# Altium PCB L1_SmashBoy_PCB2.PcbDoc (part 2 of 3) (continued)
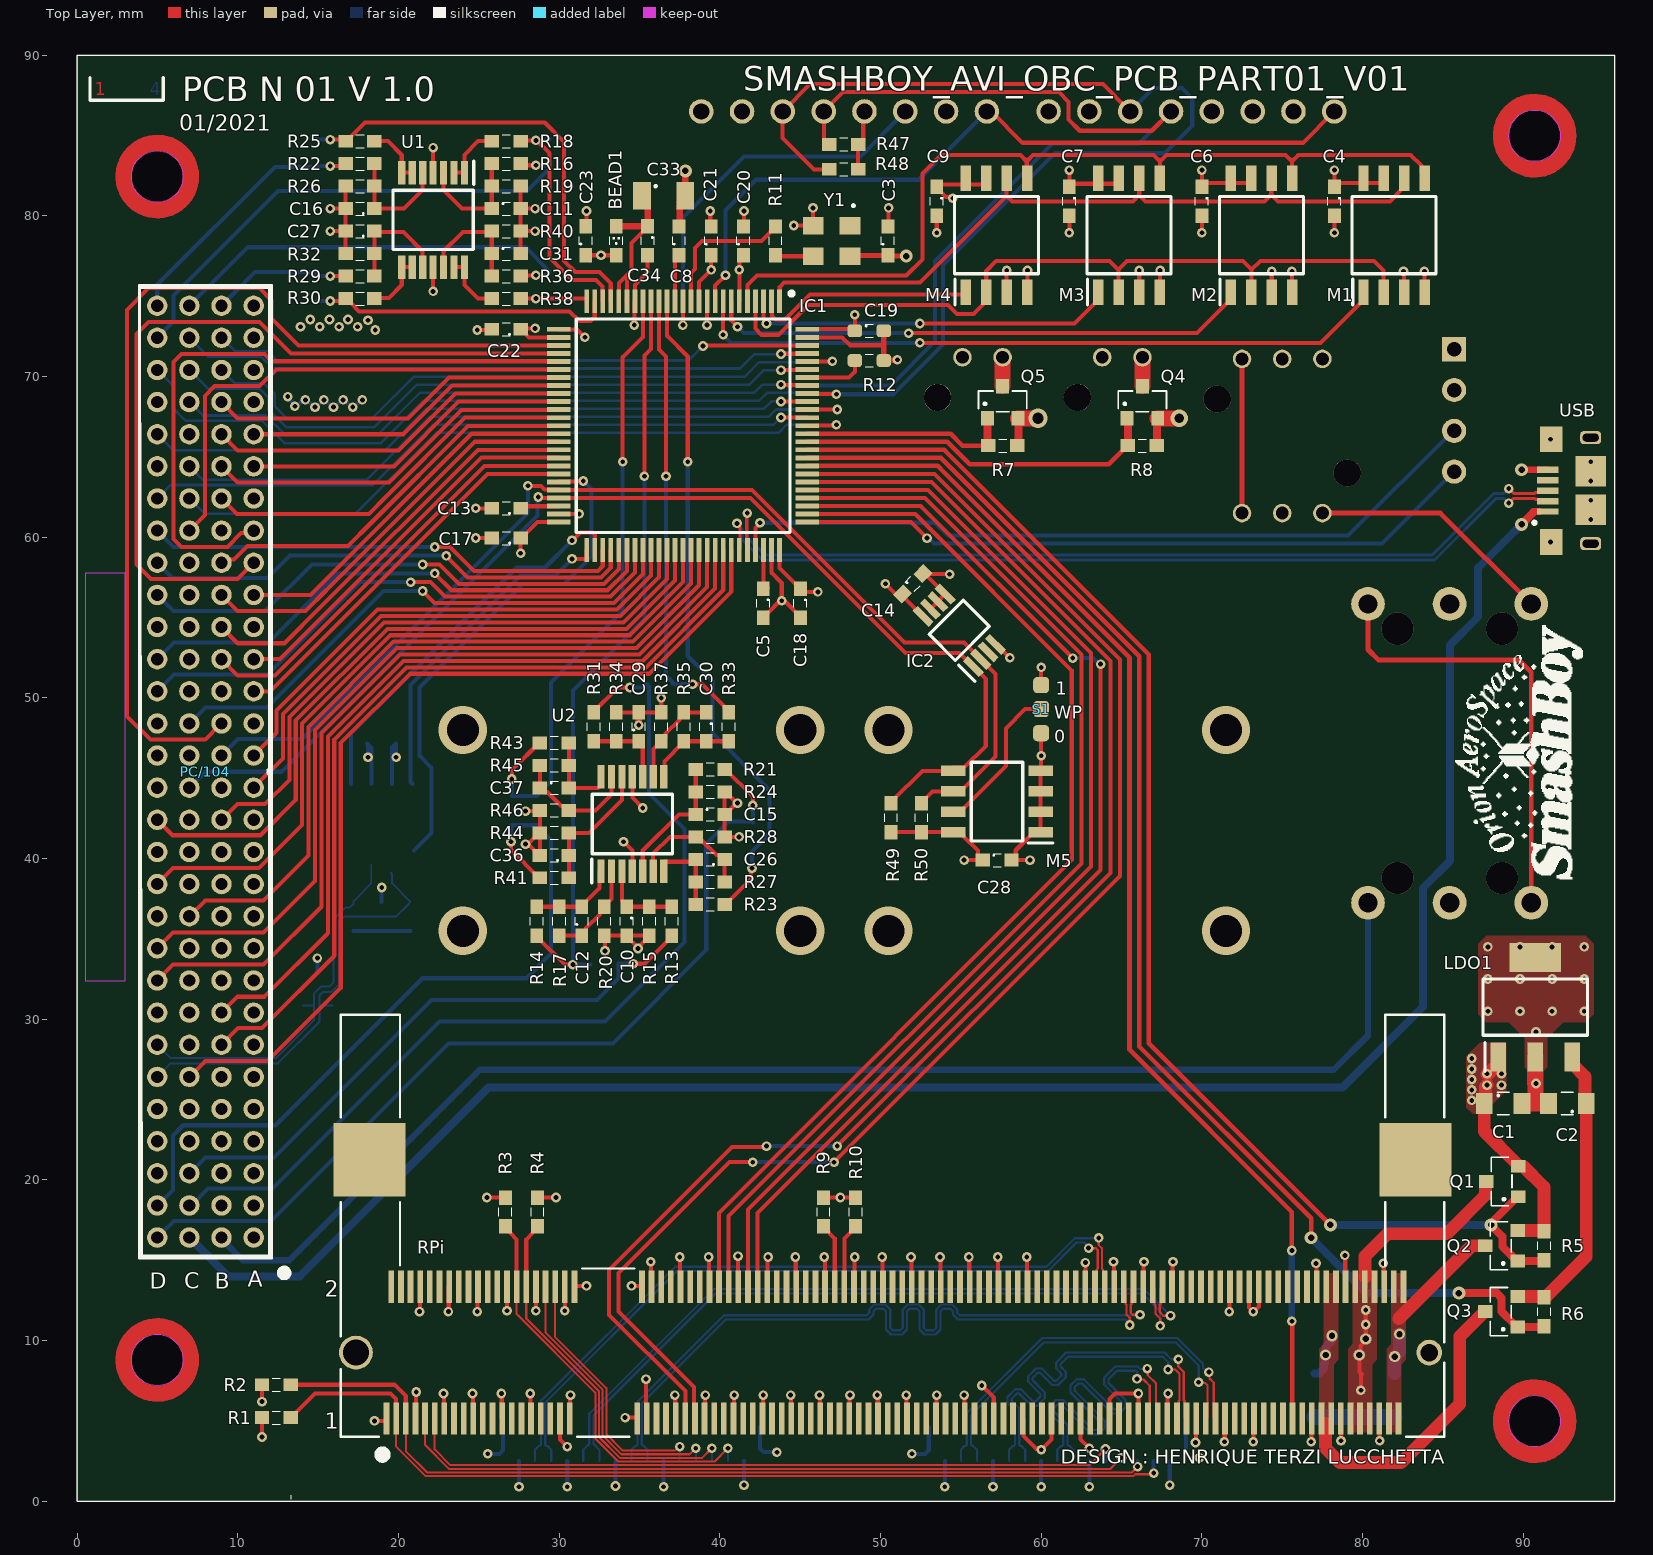
[diagram p0: Top Layer view]
## Nets (pads, with @x,y where several pads share a name; then routed paths per layer and width w, separated by ;. In a path a pad name is that pad's centre, name@x,y a point inside that pad or via, vN(x,y) a via of type N, cw(c..) or ccw(c..) an arc to the next point about the centre after c; other vN are vias at no path point) (continued)
NetIC1_30: IC1.30 PC/104.23 | length 41
  Top Layer w0.254: PC/104.23@10.98,60.41 10.826,60.256 10.206,60.256 9.35,59.4 6.5,59.4 6,59.9 6,70.9 6.5,71.4 11.65,71.4 12.1,70.95 29.962,70.95 IC1.30@29.971,70.94
NetIC1_31: IC1.31 PC/104.83 | length 31.5
  Top Layer w0.254: PC/104.83@6.98,60.41 7.95,61.38 7.95,68.8 8.55,69.4 11.35,69.4 12.39,70.44 IC1.31@29.971,70.44
NetIC1_32: IC1.32 PC/104.57 | length 22.2
  Top Layer w0.254: PC/104.57@8.98,68.41 9.99,67.4 20.6,67.4 23.14,69.94 IC1.32@29.69,69.94
NetIC1_33: IC1.33 PC/104.26 | length 20.2
  Top Layer w0.254: PC/104.26@10.98,66.41 20.31,66.41 23.34,69.44 IC1.33@29.971,69.44
NetIC1_34: IC1.34 PC/104.56 | length 22.9
  Top Layer w0.254: PC/104.56@8.98,66.41 9.99,65.4 20,65.4 20.35,65.75 23.54,68.94 IC1.34@29.971,68.94
NetIC1_35: IC1.35 PC/104.25 | length 20.7
  Top Layer w0.254: PC/104.25@10.98,64.41 19.71,64.41 23.74,68.44 IC1.35@29.971,68.44
NetIC1_36: IC1.36 PC/104.55 | length 22.9
  Top Layer w0.254: PC/104.55@8.98,64.41 9.99,63.4 19.4,63.4 23.917,67.917 IC1.36@29.55,67.917
NetIC1_37: IC1.37 PC/104.54 | length 23.4
  Top Layer w0.254: PC/104.54@8.98,62.41 9.94,61.45 18.15,61.45 19.25,62.55 24.14,67.44 IC1.37@29.54,67.44
NetIC1_38: IC1.38 PC/104.52 | length 23.8
  Top Layer w0.254: PC/104.52@8.98,58.41 9.174,58.604 9.754,58.604 10.6,59.45 16.85,59.45 18.3,60.9 24.317,66.917 IC1.38@29.3,66.917
NetIC1_39: IC1.39 PC/104.21 | length 23.1
  Top Layer w0.254: PC/104.21@10.98,56.41 14.51,56.41 24.54,66.44 IC1.39@29.94,66.44
NetIC1_40: IC1.40 PC/104.51 | length 26.2
  Top Layer w0.254: PC/104.51@8.98,56.41 9.99,55.4 14.2,55.4 15.5,56.7 ; 15.21,56.41 24.74,65.94 IC1.40@29.971,65.94
NetIC1_41: IC1.41 PC/104.50 | length 26.6
  Top Layer w0.254: PC/104.50@8.98,54.41 9.99,53.4 12.9,53.4 15.15,55.65 ; 14.9,55.4 24.94,65.44 IC1.41@29.79,65.44
NetIC1_42: IC1.42 PC/104.19 | length 24.2
  Top Layer w0.254: PC/104.19@10.98,52.41 12.61,52.41 25.15,64.95 29.962,64.95 IC1.42@29.971,64.94
NetIC1_43: IC1.43 PC/104.49 | length 26.3
  Top Layer w0.254: PC/104.49@8.98,52.41 9.99,51.4 12.3,51.4 16.85,55.95 25.34,64.44 IC1.43@29.49,64.44
NetIC1_44: IC1.44 PC/104.18 | length 24.8
  Top Layer w0.254: PC/104.18@10.8,50.35 10.86,50.41 PC/104.18@10.98,50.41 12.01,50.41 25.54,63.94 IC1.44@29.971,63.94
NetIC1_45: IC1.45 U6.5 | length 31.5
  Top Layer w0.254: IC1.45@29.971,63.44 29.994,63.463 31.463,63.463 v1(31.5,63.5)
  Bottom Layer w0.254: U6.5@20.95,40.49 22.05,41.59 22.05,45.65 21.3,46.4 21.3,50.65 27.75,57.1 30.3,57.1 32,58.8 32,63 v1(31.5,63.5)
NetIC1_46: IC1.46 IC2.2 M5.6 PC/104.46 R50.1 | length 71.6
  Top Layer w0.254: v1(28.05,63.2) 28.862,63.2 29.098,62.963 29.948,62.963 IC1.46@29.971,62.94 42.01,62.94 51.5,53.45 55.2,53.45 IC2.2@56.1,52.55 ; R50.1@52.55,43.45 52.55,43.5 53.235,44.185 54.975,44.185 57.15,46.36 57.15,51.49 IC2.2@56.35,52.29
  Bottom Layer w0.254: PC/104.46@8.98,46.41 10.02,47.45 14,47.45 28.05,61.5 v1(28.05,63.2)
NetIC1_47: IC1.47 IC2.1 M5.5 PC/104.75 R49.1 | length 73.8
  Top Layer w0.254: v1(28.7,62.5) 28.75,62.45 29.962,62.45 IC1.47@29.971,62.44 41.91,62.44 51.55,52.8 54.921,52.8 IC2.1@55.671,52.05 ; R49.1@50.65,43.6 50.75,43.6 52.605,45.455 M5.5@54.538,45.455 ; M5.5@54.4,45.55 54.503,45.653 55.203,45.653 56.55,47 56.55,51.171 IC2.1@55.775,51.946
  Bottom Layer w0.254: PC/104.75@6.9,44.6 7.17,44.6 7.97,45.4 12.7,45.4 28.647,61.347 28.647,62.447 v1(28.7,62.5)
NetIC1_51: IC1.51 U6.4 | length 20.9
  Top Layer w0.254: v1(30.8,58.65) 31.686,58.65 31.7,58.664 IC1.51@31.7,59.2
  Bottom Layer w0.254: U6.4@20.855,44.655 20.75,44.76 20.75,50.8 27.55,57.6 29.75,57.6 v1(30.8,58.65)
NetIC1_52: IC1.52 U6.1 | length 24.5
  Top Layer w0.254: v1(30.8,59.8) 30.829,59.8 31.329,60.3 32.071,60.3 32.219,60.151 32.219,59.212 IC1.52@32.209,59.202
  Bottom Layer w0.254: U6.1@17.045,44.655 17.045,47.795 27.35,58.1 29.1,58.1 v1(30.8,59.8)
NetIC1_53: IC1.53 PC/104.113 | length 29.9
  Top Layer w0.254: v1(22.25,59.388) 22.262,59.4 23.2,59.4 24.696,57.904 32.404,57.904 32.709,58.209 IC1.53@32.709,59.202
  Bottom Layer w0.254: PC/104.113@4.98,60.41 6.002,59.388 v1(22.25,59.388)
NetIC1_54: IC1.54 PC/104.112 | length 31.1
  Top Layer w0.254: v1(22.963,58.84) 24.303,57.5 32.6,57.5 33.209,58.109 IC1.54@33.209,59.202
  Bottom Layer w0.254: PC/104.112@4.98,58.41 5.94,57.45 11.85,57.45 13.251,58.851 22.952,58.851 v1(22.963,58.84)
NetIC1_55: IC1.55 PC/104.111 | length 32.4
  Top Layer w0.254: v1(21.5,58.3) 22.55,58.3 23.75,57.1 32.8,57.1 33.709,58.009 IC1.55@33.709,59.202
  Bottom Layer w0.254: PC/104.111@4.98,56.41 5.99,55.4 11.7,55.4 14.6,58.3 v1(21.5,58.3)
NetIC1_56: IC1.56 PC/104.109 | length 33.7
  Top Layer w0.254: v1(22.25,57.75) 23.3,56.7 33,56.7 34.209,57.909 IC1.56@34.209,59.202
  Bottom Layer w0.254: PC/104.109@4.98,52.41 6.02,53.45 11.9,53.45 16.194,57.744 22.244,57.744 v1(22.25,57.75)
NetIC1_57: IC1.57 PC/104.108 | length 34.9
  Top Layer w0.254: v1(20.75,57.2) 22,57.2 22.9,56.3 33.2,56.3 34.709,57.809 IC1.57@34.709,59.202
  Bottom Layer w0.254: PC/104.108@4.98,50.41 6.02,51.45 11.85,51.45 17.6,57.2 v1(20.75,57.2)
NetIC1_58: IC1.58 PC/104.77 | length 34.2
  Top Layer w0.254: v1(21.5,56.65) 22.25,55.9 33.4,55.9 35.209,57.709 IC1.58@35.209,59.202
  Bottom Layer w0.254: PC/104.77@6.98,48.41 7.97,49.4 11.8,49.4 19.063,56.663 21.487,56.663 v1(21.5,56.65)
NetIC1_59: IC1.59 PC/104.16 | length 31.8
  Top Layer w0.254: PC/104.16@10.98,46.41 12.4,47.83 12.4,49.2 18.7,55.5 33.6,55.5 35.709,57.609 IC1.59@35.709,59.202
NetIC1_60: IC1.60 PC/104.15 | length 34
  Top Layer w0.254: PC/104.15@10.98,44.41 12.8,46.23 12.8,49 18.9,55.1 33.8,55.1 36.209,57.509 IC1.60@36.209,59.202
NetIC1_61: IC1.61 PC/104.44 | length 38
  Top Layer w0.254: PC/104.44@8.98,42.41 9.97,43.4 11.7,43.4 13.2,44.9 13.2,48.8 19.1,54.7 34,54.7 36.709,57.409 IC1.61@36.709,59.202
NetIC1_62: IC1.62 PC/104.104 | length 44
  Top Layer w0.254: PC/104.104@4.98,42.41 5.94,41.45 11.4,41.45 13.6,43.65 13.6,48.6 19.3,54.3 34.2,54.3 37.209,57.309 IC1.62@37.209,59.202
NetIC1_63: IC1.63 PC/104.102 | length 46.2
  Top Layer w0.254: PC/104.102@4.98,38.41 5.97,39.4 11.3,39.4 14,42.1 14,48.4 19.5,53.9 34.4,53.9 37.709,57.209 IC1.63@37.709,59.202
NetIC1_64: IC1.64 PC/104.71 | length 46.6
  Top Layer w0.254: PC/104.71@6.98,36.41 7.97,37.4 11.6,37.4 14.4,40.2 14.4,48.2 19.7,53.5 34.6,53.5 38.209,57.109 IC1.64@38.209,59.202
NetIC1_65: IC1.65 PC/104.100 | length 50.7
  Top Layer w0.254: PC/104.100@5.05,34.45 5.05,34.48 5.97,35.4 11.6,35.4 14.8,38.6 14.8,48 19.9,53.1 34.8,53.1 38.709,57.009 IC1.65@38.709,59.202
NetIC1_66: IC1.66 PC/104.99 | length 53
  Top Layer w0.254: PC/104.99@4.98,32.41 5.97,33.4 11.6,33.4 15.2,37 15.2,47.8 20.1,52.7 35,52.7 39.209,56.909 IC1.66@39.209,59.202
NetIC1_67: IC1.67 PC/104.38 | length 51.2
  Top Layer w0.254: PC/104.38@8.98,30.41 9.97,31.4 11.65,31.4 15.6,35.35 15.6,47.6 20.3,52.3 35.2,52.3 39.709,56.809 IC1.67@39.709,59.202
NetIC1_68: IC1.68 PC/104.37 | length 53.3
  Top Layer w0.254: PC/104.37@8.98,28.41 10.02,29.45 11.5,29.45 16,33.95 16,47.4 20.5,51.9 35.4,51.9 40.209,56.709 IC1.68@40.209,59.202
NetIC1_69: IC1.69 PC/104.66 | length 57.8
  Top Layer w0.254: PC/104.66@6.98,26.41 7.97,27.4 11.85,27.4 16.4,31.95 16.4,47.2 20.7,51.5 35.6,51.5 40.709,56.609 IC1.69@40.709,59.202
NetIC1_77: IC1.77 RPi.58 | length 67.7
  Top Layer w0.254: RPi.58@39.948,13.352 39.948,17.948 61.9,39.9 61.9,51.7 52.16,61.44 IC1.77@45.65,61.44
NetIC1_78: IC1.78 RPi.66 | length 69.9
  Top Layer w0.254: RPi.66@42.348,13.352 42.348,17.948 63.7,39.3 v1(63.7,52.1) ; IC1.78@45.447,61.94 52.5,61.94 v1(61.963,52.478)
  Bottom Layer w0.254: v1(61.963,52.478) 63.229,52.478 63.54,52.166 63.666,52.166 v1@63.7,52.2
NetIC1_79: IC1.79 RPi.60 | length 69.5
  Top Layer w0.254: RPi.60@40.548,13.352 40.548,17.748 62.5,39.7 62.5,52.7 52.76,62.44 IC1.79@45.447,62.44
NetIC1_80: IC1.80 RPi.64 | length 70.1
  Top Layer w0.254: RPi.64@41.748,13.352 41.748,18.148 63.1,39.5 63.1,52.8 52.96,62.94 IC1.80@45.447,62.94
NetIC1_81: IC1.81 RPi.51 | length 89.3
  Top Layer w0.254: RPi.51@37.849,5.148 37.849,6.851 33.1,11.6 33.1,14.4 40.337,21.637 40.747,22.047 42.847,22.047 v1(42.9,22.1) ; IC1.81@45.447,63.44 53.16,63.44 64.3,52.3 64.3,39.1 v1(47.3,22.1)
  Bottom Layer w0.254: v1(42.9,22.1) v1(47.3,22.1)
NetIC1_82: IC1.82 RPi.53 | length 90.2
  Top Layer w0.254: RPi.53@38.449,5.148 38.398,5.199 38.398,7.102 33.7,11.8 33.7,14.2 40.6,21.1 v1(42.05,21.1) ; IC1.82@45.447,63.94 53.36,63.94 64.9,52.4 64.9,38.9 48.85,22.85 48.6,22.6 v1(47.1,21.1)
  Bottom Layer w0.254: v1(42.05,21.1) v1(47.1,21.1)
NetIC1_83: IC1.83 RPi.177 | length 76.6
  Top Layer w0.254: v1(75.6,11.2) v1@75.623,11.177 ; RPi.177@75.623,5.171 RPi.177@75.645,5.148
  Top Layer w0.29: IC1.83@45.447,64.44 53.56,64.44 53.95,64.05 65.5,52.5 65.5,28.1 75.6,18 v1(75.6,15.6)
  Top Layer w0.3: RPi.177@75.623,5.171 v1@75.623,11.177
  Bottom Layer w0.4: v1(75.6,11.2) v1(75.6,15.6)
NetIC1_84: IC1.84 Q3.1 R6.2 | length 83.7
  Top Layer w0.29: IC1.84@45.447,64.94 IC1.84@45.447,64.94 53.761,64.939 54.25,64.45 66.1,52.6 66.1,28.3 76.8,17.6 v2(76.8,16.4)
  Top Layer w0.5: v2(86,12.95) 88.357,12.95 88.65,12.657 88.65,11.8 89.5,10.95 Q3.1@89.65,10.95 ; Q3.1@89.65,10.85 R6.2@91.35,10.85
  Bottom Layer w0.5: v2(76.8,16.4) 80.25,12.95 v2(86,12.95)
NetIC1_85: IC1.85 Q1.1 Q2.1 R5.2 | length 83.8
  Top Layer w0.29: IC1.85@45.447,65.44 53.96,65.44 54.2,65.2 66.7,52.7 66.7,28.5 v2(78,17.2)
  Top Layer w0.5: Q1.1@89.7,18.95 89.65,18.95 88.066,17.366 88.066,17.266 v2(88,17.2) 88,17.18 88.7,16.48 88.7,15.85 89.327,15.223 89.6,14.95 R5.2@91.25,14.95
  Bottom Layer w0.5: v2(78,17.2) v2(88,17.2)
NetIC1_86: IC1.86 Q4.1 R8.2 | length 22.6
  Top Layer w0.254: Q4.1@65.3,67.3 Q4.1@65.4,67.2 ; R8.2@65.35,65.7 R8.2@65.4,65.7
  Top Layer w0.29: IC1.86@45.447,65.94 54.16,65.94 55.55,64.55 64.2,64.55 R8.2@65.35,65.7
  Top Layer w0.5: R8.2@65.4,65.7 Q4.1@65.4,67.2
NetIC1_87: IC1.87 Q5.1 R7.2 | length 13.2
  Top Layer w0.254: R7.2@56.65,65.85 R7.2@56.7,65.8
  Top Layer w0.29: IC1.87@45.447,66.44 54.36,66.44 55.1,65.7 R7.2@56.7,65.7
  Top Layer w0.5: R7.2@56.65,65.85 Q5.1@56.65,67.4
NetIC1_88: IC1.88 PC/104.84 | length 44.8
  Top Layer w0.254: IC1.88@45.447,66.94 45.47,66.963 47.213,66.963 v1(47.25,67)
  Bottom Layer w0.16: PC/104.84@6.98,62.41 7.94,61.45 17.3,61.45 22.35,66.5 43.65,66.5 44.15,67 v1(47.25,67)
NetIC1_89: IC1.89 PC/104.114 | length 42.6
  Top Layer w0.254: v1(43.8,67.45) 43.805,67.445 45.442,67.445 IC1.89@45.447,67.44
  Bottom Layer w0.16: PC/104.114@4.98,62.41 5.82,63.25 18.4,63.25 22.15,67 43.35,67 v1(43.8,67.45)
NetIC1_90: IC1.90 PC/104.85 | length 44.2
  Top Layer w0.254: IC1.90@45.447,67.94 45.452,67.945 47.295,67.945 v1(47.3,67.95)
  Bottom Layer w0.16: PC/104.85@7,64.25 7.14,64.25 7.805,63.585 18.035,63.585 21.95,67.5 43.05,67.5 43.5,67.95 v1(47.3,67.95)
NetIC1_91: IC1.91 PC/104.116 | length 42.2
  Top Layer w0.254: v1(43.8,68.45) 43.805,68.445 45.443,68.445 IC1.91@45.447,68.44
  Bottom Layer w0.16: PC/104.116@4.98,66.41 5.99,65.4 19.15,65.4 21.75,68 42.75,68 43.2,68.45 v1(43.8,68.45)
NetIC1_92: IC1.92 PC/104.118 R48.1 U4.3 U5.3 | length 114.7
  Top Layer w0.254: U4.3@43.85,86.35 43.9,86.3 43.9,84.85 45.85,82.9 R48.1@46.8,82.9 ; U4.3@43.92,86.5 45.62,88.2 63.84,88.2 65.44,86.6 U5.3@65.6,86.6 ; IC1.92@45.447,68.94 45.47,68.917 47.226,68.917 v1(47.25,68.893)
  Bottom Layer w0.16: PC/104.118@4.98,70.41 5.95,69.44 5.95,68.05 6.75,67.25 11.5,67.25 12.9,65.85 18.9,65.85 21.55,68.5 42.45,68.5 42.95,69 46.936,69 46.959,68.977 47.166,68.977 v1(47.25,68.893)
  Bottom Layer w0.254: v1(47.25,68.893) 47.257,68.9 50.8,68.9 53.9,72 53.9,76.95 60.85,83.9 67.7,83.9 69.4,85.6 69.4,87.3 68.75,87.95 66.99,87.95 65.69,86.65 U5.3@65.55,86.65
NetIC1_93: IC1.93 PC/104.87 R47.1 U4.4 U5.4 | length 101.4
  Top Layer w0.254: v1(43.8,69.5) 43.837,69.463 45.424,69.463 IC1.93@45.447,69.44 ; U4.4@46.46,86.5 47.66,87.7 61.1,87.7 61.7,87.1 61.7,86 62.4,85.3 66.88,85.3 U5.4@68.08,86.5 68.1,86.52 U5.4@68.1,86.6 ; U4.4@46.5,86.35 46.477,86.327 46.477,84.723 46.75,84.45 R47.1@46.8,84.45
  Bottom Layer w0.16: PC/104.87@6.98,68.41 7.814,67.576 11.724,67.576 12.95,66.35 18.7,66.35 21.35,69 42.15,69 42.65,69.5 v1(43.8,69.5)
  Bottom Layer w0.254: v1(43.8,69.5) 43.85,69.45 50.65,69.45 53.4,72.2 53.4,77.2 60.7,84.5 66.08,84.5 U5.4@68.08,86.5
NetIC1_94: IC1.94 R12.1 | length 3.9
  Top Layer w0.254: IC1.94@45.447,69.94 48.04,69.94 48.4,70.3 R12.1@48.4,71.05
NetIC1_95: IC1.95 PC/104.88 | length 41.9
  Top Layer w0.254: v1(43.8,70.4) 43.82,70.42 45.427,70.42 IC1.95@45.447,70.44
  Bottom Layer w0.16: PC/104.88@6.98,70.41 8.14,69.25 11.35,69.25 11.9,68.7 11.9,67.95 13,66.85 18.5,66.85 21.15,69.5 41.85,69.5 42.75,70.4 v1(43.8,70.4)
NetIC1_96: IC1.96 PC/104.58 | length 42.8
  Top Layer w0.254: IC1.96@45.447,70.94 45.452,70.945 46.995,70.945 v1(47,70.95)
  Bottom Layer w0.16: PC/104.58@8.98,70.41 9.81,69.58 11.62,69.58 12.3,68.9 12.3,68.15 13.1,67.35 18.3,67.35 20.95,70 41.55,70 42.45,70.9 46.95,70.9 v1(47,70.95)
NetIC1_97: IC1.97 PC/104.89 | length 39.6
  Top Layer w0.254: v1(43.8,71.4) 43.82,71.42 45.427,71.42 IC1.97@45.447,71.44
  Bottom Layer w0.16: PC/104.89@6.98,72.41 8.14,71.25 11.45,71.25 12.2,70.5 41.25,70.5 42.15,71.4 v1(43.8,71.4)
NetIC1_98: IC1.98 PC/104.59 | length 37.4
  Top Layer w0.254: v1(38.95,71.9) 38.987,71.937 45.444,71.937 IC1.98@45.447,71.94
  Bottom Layer w0.16: PC/104.59@8.98,72.41 9.812,71.578 11.872,71.578 12.45,71 38.05,71 v1(38.95,71.9)
NetJ1_1: J1.1 RBF.6 | length 15.2
  Top Layer w0.3: J1.1@77.6,61.5 84.85,61.5 RBF.6@90.5,55.85
NetJ1_3: J1.3 J2.1 | length 9.5
  Top Layer w0.3: J1.3@72.5,61.5 J2.1@72.5,70.9
  Top Layer w0.5: J2.1@72.4,71 J2.1@72.5,70.9
NetJ3_1: J3.1 J4.1 PC/104.2 PC/104.3 PC/104.4 PC/104.34
NetJ3_2: J3.2 Q4.3 | length 1.8
  Top Layer w1: Q4.3@66.3,69.4 J3.2@66.3,71.2
NetJ4_2: J4.2 Q5.3 | length 1.8
  Top Layer w1: Q5.3@57.6,69.4 J4.2@57.6,71.2
NetJ5_11: J5.11 RPi.36 | length 16.5
  Top Layer w0.127: RPi.36@29.749,13.352 29.749,10.214 32.931,7.032 32.931,4.182 33.963,3.15 37.189,3.15 37.436,3.396 v1(37.5,3.396)
  Bottom Layer w0.127: J5.11@37.5,2.5 v1(37.5,3.396)
NetJ5_12: J5.12 RPi.34 | length 17.8
  Top Layer w0.127: RPi.34@29.149,13.199 29.149,10.493 32.704,6.938 32.704,4.088 33.869,2.923 38.123,2.923 v1(38.5,3.3)
  Bottom Layer w0.127: J5.12@38.5,2.5 v1(38.5,3.3)
NetJ5_13: J5.13 R4.1 RPi.30 | length 23.9
  Top Layer w0.127: RPi.30@27.949,13.352 27.949,11.372 32.477,6.844 32.477,3.994 33.775,2.696 38.896,2.696 39.45,3.25 v1@39.5,3.25
  Top Layer w0.254: RPi.30@27.949,13.352 27.949,16.299 28.377,16.727 28.377,16.827 R4.1@28.65,17.1
  Bottom Layer w0.127: J5.13@39.5,2.5 v1(39.5,3.3)
NetJ5_14: J5.14 R3.1 RPi.28 | length 25.3
  Top Layer w0.127: RPi.28@27.349,13.251 27.349,11.651 32.25,6.75 32.25,3.9 33.681,2.469 39.669,2.469 v1(40.5,3.3)
  Top Layer w0.254: R3.1@26.7,16.95 26.75,16.95 26.923,16.777 26.923,16.727 27.349,16.301 RPi.28@27.349,13.352
  Bottom Layer w0.127: J5.14@40.5,2.5 v1(40.5,3.3)
NetJ6_11: J6.11 RPi.11 | length 45.2
  Top Layer w0.127: RPi.11@22.25,5.1 22.25,3.221 23.229,2.242 62.992,2.242 v1(64,3.25)
  Bottom Layer w0.254: J6.11@64,2.5 v1(64,3.25)
NetJ6_12: J6.12 RPi.9 | length 46
  Top Layer w0.127: RPi.9@21.65,5.1 21.65,3.5 23.135,2.015 64.315,2.015 v1(65,2.7)
  Bottom Layer w0.254: J6.12@65,2.5 v1(65,2.7)
NetJ6_13: J6.13 R2.1 RPi.5 | length 57.2
  Top Layer w0.127: RPi.5@20.45,4.9 20.45,3.121 21.783,1.788 65.638,1.788 v1(66,2.15)
  Top Layer w0.254: R2.1@13.3,7.25 19.75,7.25 20.45,6.55 RPi.5@20.45,5.148
  Bottom Layer w0.254: v1(66,2.15) J6.13@66,2.5
NetJ6_14: J6.14 R1.1 RPi.3 | length 58.8
  Top Layer w0.127: RPi.3@19.85,4.95 19.85,3.4 21.689,1.561 65.732,1.561 65.848,1.677 66.927,1.677 v1(67,1.75)
  Top Layer w0.254: R1.1@13.3,5.2 13.35,5.2 13.623,5.473 13.623,5.523 14.791,6.691 19.509,6.691 19.845,6.355 19.845,5.153 RPi.3@19.85,5.148 RPi.3@19.849,5.147
  Bottom Layer w0.254: v1(67,1.75) J6.14@67,2.5
NetJ7_1: J7.1 PC/104.63 R13.2 | length 36.5
  Top Layer w0.254: v1(34.6,33.45) 35.3,33.45 36.85,35 R13.2@36.85,35.05
  Bottom Layer w0.254: PC/104.63@6.95,20.5 7.07,20.5 7.97,21.4 12.25,21.4 22.05,31.2 32.35,31.2 33.7,32.55 J7.1@33.7,33.45 v1(34.6,33.45)
NetJ8_1: J8.1 PC/104.119 R16.2 | length 31.4
  Top Layer w0.254: R16.2@27.6,83.25 27.7,83.15 v1(28.55,83.15)
  Bottom Layer w0.254: PC/104.119@5.25,72.55 5.25,72.68 6,73.43 6,75.05 12.5,81.55 28,81.55 29.4,82.95 J8.1@29.4,83 ; v1(28.55,83.15) 29.3,83.15 J8.1@29.4,83.05
NetJ9_1: J9.1 PC/104.91 R21.2 | length 55.6
  Top Layer w0.254: R21.2@40.3,45.55 40.35,45.55 42.05,43.85 v1(42.05,43.3)
  Bottom Layer w0.254: PC/104.91@4.95,16.65 5.22,16.65 6.02,17.45 12.05,17.45 23.1,28.5 33.35,28.5 39.15,34.3 39.15,40.9 40.55,42.3 J9.1@42,42.3 ; J9.1@42.05,42.25 v1(42.05,43.3)
NetJ10_1: J10.1 PC/104.120 R22.2 | length 16.1
  Top Layer w0.254: v1(15.75,83.1) 16.55,83.1 R22.2@16.7,83.25
  Bottom Layer w0.254: PC/104.120@4.98,74.41 4.98,75.73 12.3,83.05 14.95,83.05 15,83.1 v1@15.7,83.1
NetJ11_1: J11.1 PC/104.60 R29.2 | length 8.8
  Top Layer w0.254: v1@15.7,76.25 v1(15.75,76.25) R29.2@16.7,76.25
  Bottom Layer w0.254: PC/104.60@8.9,74.5 9.07,74.5 11.07,76.5 J11.1@14.9,76.5 ; J11.1@14.75,76.3 J11.1@14.9,76.3 ; J11.1@15,76.4 15.15,76.25 v1(15.75,76.25)
NetJ12_1: J12.1 PC/104.62 R31.2 | length 58.6
  Top Layer w0.254: R31.2@32.15,49.1 32.15,49.15 33.65,50.65 v1(34.4,50.65)
  Bottom Layer w0.254: PC/104.62@6.98,18.41 7.11,18.41 8.15,19.45 12.15,19.45 22.55,29.85 32.85,29.85 37.8,34.8 37.8,41.85 35.6,44.05 35.6,50.7 J12.1@35.45,50.85 ; v1@34.4,50.656 35.206,50.656 J12.1@35.4,50.85
NetJ13_1: J13.1 PC/104.90 R36.2 | length 26.4
  Top Layer w0.254: R36.2@27.6,76.25 27.65,76.3 v1(28.55,76.3)
  Bottom Layer w0.254: PC/104.90@7,74.55 7.12,74.55 10.62,78.05 27.9,78.05 29.4,76.55 J13.1@29.4,76.5 29.2,76.3 v1@28.6,76.3
NetJ14_1: J14.1 PC/104.92 R41.2 | length 46.9
  Top Layer w0.254: v1(27,41.05) 27,40.55 28.75,38.8 R41.2@28.8,38.8
  Bottom Layer w0.254: PC/104.92@4.98,18.41 5.95,19.38 5.95,22.75 6.6,23.4 12.35,23.4 21.5,32.55 27.95,32.55 29.5,34.1 29.5,41.15 28.577,42.073 J14.1@27.1,42.073 ; v1(27,41.05) 27,42.05 J14.1@27.05,42.1
NetM5_7: M5.7 S1.2 | length 9.5
  Top Layer w0.254: M5.7@54.538,42.915 54.975,42.915 55.173,43.113 55.173,43.123 57.8,45.75 57.8,48.1 59,49.3 S1.2@60,49.3
NetPC/104_31: PC/104.31 RBF.1 | length 86.1
  Bottom Layer w0.4: PC/104.31@8.98,16.41 8.98,16.32 10.3,15 13.2,15 25.05,26.85 78.2,26.85 80.34,28.99 RBF.1@80.34,37.25
NetPC/104_61: PC/104.61 USB.1 | length 118.8
  Top Layer w0.45: 90.619,61.6 USB.1@91.075,61.6
  Top Layer w0.5: v2(89.9,60.8) 90.619,61.519
  Bottom Layer w0.5: PC/104.61@6.98,16.41 9.39,14 13.85,14 25.6,25.75 78.75,25.75 83.75,30.75 83.75,38.15 85.45,39.85 85.45,53.3 87.2,55.05 87.2,58.1 88.821,59.721 v2(89.9,60.8)
NetR9_1: R9.1 RPi.82 | length 3.9
  Top Layer w0.254: R9.1@46.5,17 47.148,16.352 RPi.82@47.148,13.352
NetR10_1: R10.1 RPi.84 | length 4
  Top Layer w0.254: RPi.84@47.748,13.352 47.748,16.348 48.4,17 R10.1@48.5,17
NetR11_1: R11.1 Y1.3 | length 2.4
  Top Layer w0.254: R11.1@43.459,77.54 43.509,77.49 Y1.3@45.809,77.49
NetR18_1: R18.1 U1.1 U1.2 | length 3.8
  Top Layer w0.254: U1.2@23.45,82.688 U1.1@24.1,82.688 24.1,83.8 24.95,84.65 R18.1@25.8,84.65
NetR25_1: R25.1 U1.6 U1.7 | length 3.8
  Top Layer w0.254: R25.1@18.5,84.65 19.35,84.65 20.2,83.8 U1.7@20.2,82.688 ; U1.7@20.2,82.75 20.262,82.688 U1.6@20.85,82.688
NetR30_1: R30.1 U1.8 U1.9 | length 3.7
  Top Layer w0.254: R30.1@18.6,74.9 19.4,74.9 20.2,75.7 U1.8@20.2,76.812 ; U1.8@20.2,76.8 20.212,76.812 U1.9@20.85,76.812
NetR38_1: R38.1 U1.13 U1.14 | length 3.7
  Top Layer w0.254: U1.13@23.45,76.812 U1.14@24.1,76.812 ; U1.14@24.1,76.65 24.1,75.7 24.95,74.85 R38.1@25.8,74.85
NetRBF_3: RBF.3 RBF.4 | length 27.7
  Top Layer w0.3: RBF.4@80.34,55.85 80.34,53.01 81,52.35 89.75,52.35 90.5,51.6 90.5,37.6 RBF.3@90.45,37.55
RP_1V8: C40.1 Q3.3 RPi.183 RPi.184 RPi.185 RPi.186 | length 21.1
  Top Layer w0.8: 77.7,4.85 77.7,3.3 78.6,2.4 82.4,2.4 86.05,6.05 86.05,10.25 Q3.3@87.6,11.8
  Bottom Layer w0.5: C40.1@77,7.95 77.3,7.95 77.6,8.25 77.6,8.55 77.662,8.612 v4@77.662,9.062 ; v4(77.7,9.1) 77.728,9.128 77.728,9.628 78.062,9.962 78.062,10.262 v4(78.1,10.3)
RP_3V3: C38.1 J5.15 J6.15 Q1.3 R1.2 R2.2 R3.2 R4.2 RPi.39 RPi.40 RPi.41 RPi.42 RPi.189 RPi.190 RPi.191 RPi.192 RPi.193 RPi.194 | length 27.7
  Top Layer w0.254: v1(11.5,4) R1.2@11.5,5.2 ; v1(11.5,6.2) R2.2@11.5,7.25 ; v1(25.5,18.9) R3.2@26.65,18.9 ; R4.2@28.65,18.9 v1(29.8,18.9) ; RPi.39@30.649,5.148 30.675,5.173 30.675,6.575 v1(30.7,6.6) ; RPi.40@30.949,13.352 30.997,13.4 v1(31.7,13.4) ; v1(34.1,5.2) 34.798,5.2 RPi.41@34.849,5.148 RPi.41@34.849,5.148 ; v1(34.5,13.4) 35.101,13.4 RPi.42@35.149,13.352 ; v1(79.9,6.9) 79.9,7.9 ; 79.95,7.9 79.8,8.05 v4(79.8,9.1) 79.885,9.185 79.885,9.665 80.2,9.979 v1(80.2,11) v1(80.2,11.9)
  Top Layer w0.8: RPi.192@80.15,13.955 80.15,15.25 81.55,16.65 85.25,16.65 87.65,19.05 87.65,19.9 Q1.3@87.7,19.9
  Bottom Layer w0.254: v1(41.5,1) J5.15@41.5,2.5 ; v1(68,1) J6.15@68,2.5
  other v4: 80.2,10.1
RP_VBAT: C39.1 Q2.3 RPi.197 RPi.198 RPi.199 RPi.200 | length 9.9
  Top Layer w0.8: 82.256,11.356 86.8,15.9 Q2.3@87.65,15.9
  Bottom Layer w0.8: C39.1@82,7.95 v4(82,9) 82.3,9.3 v4(82.3,10.4)
USB_N: IC1.70 USB.2 | length 55.5
  Top Layer w0.191: v1(41.064,60.864) 41.064,60.753 41.264,60.553 41.264,59.257 IC1.70@41.209,59.202 ; v1(89.1,62.125) 89.125,62.125 89.416,62.416 90.716,62.416 90.777,62.354 91.42,62.354 USB.2@91.525,62.25
  Bottom Layer w0.191: v1(41.064,60.864) v1(41.064,60.864) 41.382,60.547 41.382,59.857 42.657,58.582 84.482,58.582 88.316,62.416 88.784,62.416 89.075,62.125 v1(89.1,62.125)
USB_P: IC1.71 USB.3 | length 56
  Top Layer w0.191: v1(41.7,61.5) 41.673,61.473 41.673,59.238 IC1.71@41.709,59.202 ; v1(89.1,63.025) 89.125,63.025 89.416,62.734 90.716,62.734 90.777,62.796 91.42,62.796 USB.3@91.525,62.9
  Bottom Layer w0.191: v1(41.7,61.5) 41.7,59.989 42.789,58.9 84.35,58.9 88.184,62.734 88.784,62.734 89.075,63.025 v1(89.1,63.025)
VDDA: BEAD1.2 C33.1 C34.1 IC1.20 IC1.21 | length 11.8
  Top Layer w0.254: IC1.21@33.709,74.678 33.709,75.809 34.2,76.3 ; IC1.20@34.186,74.736 IC1.20@34.2,74.75 ; IC1.20@34.209,74.678 34.209,76.309 34.5,76.6 34.5,78.3 C34.1@35.5,79.3 ; C33.1@35.15,81.25 C33.1@35.5,80.9
  Top Layer w0.4: BEAD1.2@33.55,79.35 C34.1@35.5,79.35 ; C34.1@35.5,79.45 C33.1@35.5,81.7
  Top Layer w0.45: C34.1@35.5,79.35 35.55,79.35 C34.1@35.6,79.3
pads on no net: IC2.3 J1. J1.2 J2. J2.2 J3. J4. PC/104.6 PC/104.7 PC/104.9 PC/104.11 PC/104.13 PC/104.27 PC/104.29 PC/104.30 PC/104.32 PC/104.35 PC/104.36 PC/104.40 PC/104.42 PC/104.65 PC/104.68 PC/104.69 PC/104.73 PC/104.78 PC/104.79 PC/104.80 PC/104.81 PC/104.93 PC/104.94 PC/104.106 RBF.2 RBF.5 RPi.2 RPi.4 RPi.6 RPi.10 RPi.12 RPi.15 RPi.16 RPi.17 RPi.18 RPi.21 RPi.22 RPi.23 RPi.24 RPi.27 RPi.29 RPi.33 RPi.35 RPi.45 RPi.46 RPi.47 RPi.48 RPi.52 RPi.54 RPi.57 RPi.59 RPi.63 RPi.65 RPi.69 RPi.70 RPi.71 RPi.72 RPi.75 RPi.76 RPi.77 RPi.78 RPi.81 RPi.83 RPi.87 RPi.88 RPi.89 RPi.90 RPi.93 RPi.94 RPi.95 RPi.96 RPi.99 RPi.100 RPi.101 RPi.102 RPi.105 RPi.106 RPi.107 RPi.108 RPi.111 RPi.112 RPi.113 RPi.114 RPi.117 RPi.118 RPi.119 RPi.120 RPi.123 RPi.124 RPi.125 RPi.126 RPi.128 RPi.129 RPi.130 RPi.131 RPi.132 RPi.135 RPi.137 RPi.141 RPi.143 RPi.154 RPi.156 RPi.158 RPi.160 RPi.162 RPi.165 RPi.166 RPi.167 RPi.171 RPi.172 RPi.173 RPi.174 RPi.175 RPi.176 RPi.178 RPi.179 RPi.180 RPi.202 RPi.203 RPi.204 RPi.205 U4.7 U5.6 U5.7 USB.4 Y1.1
copper on no net: | length 105.6
  Top Layer w1: 7.08,8.79 ccw(c4.98,8.79) 7.08,8.79 ; 7.08,82.45 ccw(c4.98,82.45) 7.08,82.45 ; 92.81,4.98 ccw(c90.71,4.98) 92.81,4.98 ; 92.81,84.99 ccw(c90.71,84.99) 92.81,84.99
  Bottom Layer w1: 7.08,8.79 ccw(c4.98,8.79) 7.08,8.79 ; 7.08,82.45 ccw(c4.98,82.45) 7.08,82.45 ; 92.81,4.98 ccw(c90.71,4.98) 92.81,4.98 ; 92.81,84.99 ccw(c90.71,84.99) 92.81,84.99
  other v3: 24,35.5 45,35.5 50.5,35.5 71.5,35.5 24,48 45,48 50.5,48 71.5,48
  other v5: 82.17,38.8 88.67,38.8 82.17,54.3 88.67,54.3

## Polygon pours and split planes (outlines as drawn)
3V3 on Top Layer "NONET_L-01_P-001" (solid, pour order 10): 87.3,28.55 86.45,27.7 86.45,24.5 86.85,24.1 87.5,24.1 88.95,25.55 88.95,28.55
GND on Top Layer "NONET_L-01_P-001" (solid, pour order 8): 87.2,34.7 87.2,30.3 87.7,29.8 89.1,29.8 90.1,28.8 90.1,27 90.4,26.7 91.2,26.7 91.5,27 91.5,28.8 92.5,29.8 93.9,29.8 94.4,30.3 94.4,34.7 93.9,35.2 87.7,35.2
RP_3V3 on Top Layer "NONET_L-01_P-001" (solid, pour order 6): 79.4,14.2 80.9,14.2 80.9,8.8 80.6,8.5 80.6,4.3 79.1,4.3 79.1,9.5 79.4,9.8
RP_1V8 on Top Layer "NONET_L-01_P-001" (solid, pour order 5): 77.6,14.2 78.5,14.2 78.5,8.8 78.2,8.5 78.2,4.25 78.1,4.15 77.35,4.15 77.3,4.2 77.3,9.5 77.6,9.8
RP_VBAT on Top Layer "NONET_L-01_P-001" (solid, pour order 4): 81.8,14.2 82.7,14.2 82.7,8.8 82.4,8.5 82.4,4.3 81.5,4.3 81.5,9.5 81.8,9.8
GND on Int1 (GND) "NONET_L-01_P-001" (solid, pour order 7): 0,90 0,0 95.7,0 95.7,90
RP_3V3 on Int2 (PWR) "NONET_L-01_P-001" (solid, pour order 22): 74.8,14.1 69,19.9 33.8,19.9 23.3,19.9 9.8,6.4 9.8,1.6 11.4,0 77.8,0 81.3,3.5 81.3,11.9 79.1,14.1
3V3 on Int2 (PWR) "NONET_L-01_P-001" (solid, pour order 25): 0,90 95.7,90 95.7,0.4 0,0.4
NetJ3_1 on Int2 (PWR) "NONET_L-01_P-001" (solid, pour order 24): 54,72.25 53.45,71.7 53.45,63.1 62.45,54.1 62.45,39.45 55,32 20.05,32 13.35,25.3 59.9,25.3 69.95,35.35 69.95,61.2 66.45,64.7 66.45,69.5 63.7,72.25
NetJ3_1 on Int2 (PWR) "NONET_L-01_P-001" (solid, pour order 12): 8.35,23.5 11.55,23.5 13.65,25.6 22.75,25.6 14.7,17.55 10.425,17.55 9.9,18.075 9.9,20.75 9.35,21.3 8.4,21.3 7.9,21.8 7.9,23.05
3V3 on Int2 (PWR) "NONET_L-01_P-001" (solid, pour order 20): 12.7,70 22,79.3 31.9,79.3 31.9,69.2 30.5,67.8 13.3,67.8 12.7,68.4
3V3 on Int2 (PWR) "NONET_L-01_P-001" (solid, pour order 18): 25.2,79.3 25.2,67.8 26.5,66.5 26.5,57.3 29.6,54.2 45,54.2 46.9,56.1 46.9,70.3 52.5,75.9 52.5,78 51.2,79.3
3V3 on Int2 (PWR) "NONET_L-01_P-001" (solid, pour order 15): 3.8,41.25 9.75,41.25 17,48.5 17,66.85 19.6,69.45 19.6,70.95 13.65,70.95 11.9,69.2 11.9,50.45 10.95,49.5 4.65,49.5 3.8,48.65
RP_VBAT on Bottom Layer "NONET_L-01_P-001" (solid, pour order 28): 82.7,10.8 83,10.5 83,7.6 82.8,7.4 81.2,7.4 81.1,7.5 81.1,10.5 81.4,10.8
RP_3V3 on Bottom Layer "NONET_L-01_P-001" (solid, pour order 27): 80.5,10.6 79.1,10.6 78.8,10.3 78.8,9.4 78.5,9.1 78.5,7.6 78.7,7.4 80.5,7.4 80.8,7.7 80.8,10.3
RP_1V8 on Bottom Layer "NONET_L-01_P-001" (solid, pour order 26): 78.2,10.8 77.3,10.8 75.9,9.4 75.9,7.6 76.1,7.4 77.9,7.4 78.2,7.7 78.2,9.3 78.5,9.6 78.5,10.5
3V3 on Bottom Layer "NONET_L-01_P-001" (solid, pour order 13): 13.25,70.15 12.7,69.6 12.7,68.35 13.3,67.75 17.7,67.75 18.6,68.65 18.6,69.8 18.25,70.15
GND on Bottom Layer "NONET_L-01_P-001" (solid, pour order 23): 18.625,71.45 19.2,72.025 19.2,73.275 18.6,73.875 14.2,73.875 13.3,72.975 13.3,71.75 13.6,71.45

## Keep-outs
Keep-Out Layer:
  region: 0.51,57.77 0.51,32.385 2.995,32.385 2.995,57.765

## Other copper
Top Layer:
  pour cut-out: 0.7,88.75 5.45,88.75 5.45,87.05 0.7,87.05
  text "1" at 1.1,87.5 h0.8
Int1 (GND):
  pour cut-out: 0.7,88.75 5.45,88.75 5.45,87.05 0.7,87.05
  text "2" at 2.056,87.5 h0.8
Int2 (PWR):
  pour cut-out: 0.7,88.75 5.45,88.75 5.45,87.05 0.7,87.05
  text "3" at 3.278,87.5 h0.8
Bottom Layer:
  pour cut-out: 0.7,88.75 5.45,88.75 5.45,87.05 0.7,87.05
  text "4" at 4.5,87.5 h0.8